# Altium PCB PT1000_16CH.PCBDOC (part 4 of 5)
Units mm, origin at the board's own origin, x right, y up, seen from the top; angles counter-clockwise.
Board outline 238.48 x 100 mm, 4 copper layers (TOP, G1, L2, BOT), stack 1.55 mm thick; 582 components, 585 nets, 2348 pads, 974 vias.
Unrouted connection lines stored in the file: 797.
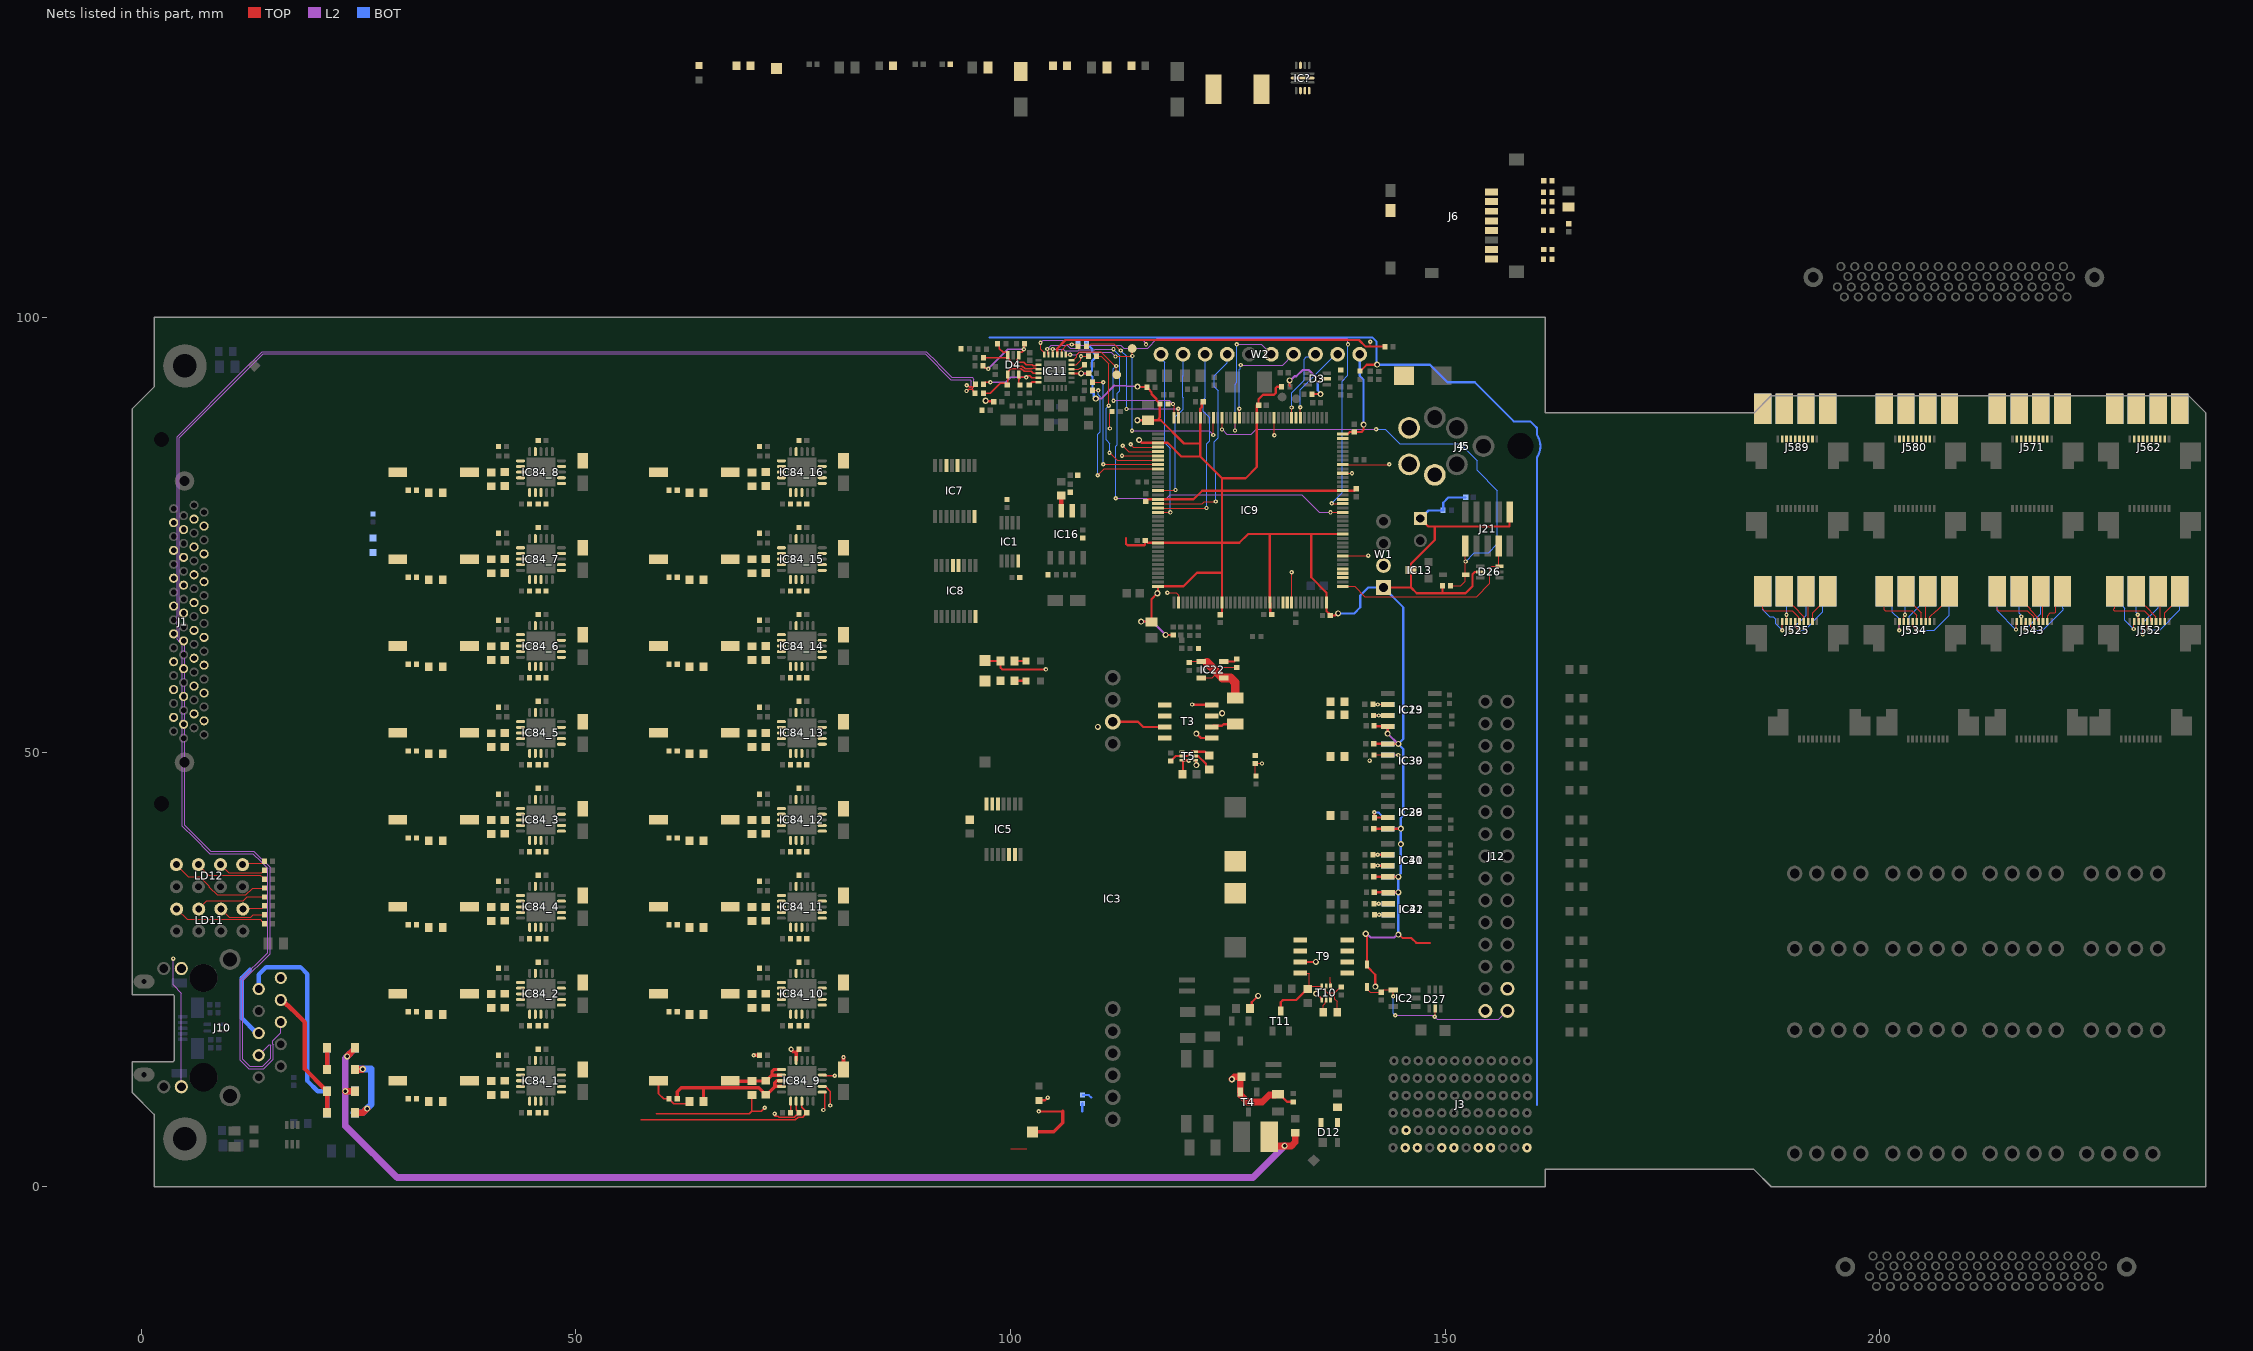
[diagram p6: the nets of this part, all layers, seen from the top]

## Via types
v1: diameter 0.5, hole 0.2, TOP to BOT, tented both sides, 922 vias
v2: diameter 0.7, hole 0.4, TOP to BOT, tented both sides, 39 vias
v3: diameter 0.5, hole 0.2, TOP to BOT, 5 vias
v4: diameter 0.66, hole 0.33, TOP to BOT, tented both sides, 5 vias
v5: diameter 0.6, hole 0.3, TOP to BOT, tented both sides, 2 vias
v6: diameter 0.6, hole 0.3, TOP to BOT, 1 vias

## Nets (pads, with @x,y where several pads share a name; then routed paths per layer and width w, separated by ;. In a path a pad name is that pad's centre, name@x,y a point inside that pad or via, vN(x,y) a via of type N, cw(c..) or ccw(c..) an arc to the next point about the centre after c; other vN are vias at no path point) (continued)
NetIC11_10: IC11.10 R25.1 | length 1.7
  TOP w0.127: IC11.10@107.02,94.05 107.863,94.05 107.937,94.124 108.1,94.124 108.506,94.53 R25.1@108.506,94.55
NetIC11_11: IC11.11 R22.2 R27.2 | length 3.5
  TOP w0.127: IC11.11@107.02,94.55 107.555,94.55 108.094,95.089 108.094,95.489 v1@108.127,95.522 ; v1(108.102,95.529) 108.962,95.529 R27.2@108.97,95.522
  BOT w0.127: v1(108.102,95.529) 108.937,95.529 R22.2@108.945,95.522
NetIC11_14: IC11.14 R29.2 R99.2 | length 3.6
  TOP w0.127: IC11.14@105.87,95.7 105.87,96.235 106.514,96.88 107.593,96.88 R29.2@107.778,96.695
  BOT w0.127: v1(107.055,96.88) 107.613,96.88 R99.2@107.778,97.045
NetIC11_24: IC11.24 R26.1 | length 1.2
  TOP w0.254: R26.1@102.145,92.245 102.165,92.245 102.47,92.55 IC11.24@103.22,92.55
NetIC16_7: IC16.7 R96.1 | length 1.7
  TOP w0.508: R96.1@105.825,79.5 105.825,77.773 IC16.7@105.837,77.761
NetIC19_6: IC19.6 IC23.3 R110.2 | length 2.7
  TOP w0.127: R110.2@141.68,55.48 v1(142.235,55.48) ; v1@142.344,55.481 IC19.6@143.394,55.481
  BOT w0.127: v1@142.344,55.481 IC23.3@143.394,55.481
NetIC19_7: IC19.7 IC23.2 R108.2 | length 2.7
  TOP w0.254: R108.2@141.748,54.211 v1(142.344,54.211) IC19.7@143.394,54.211
  BOT w0.254: v1(142.344,54.211) IC23.2@143.394,54.211
NetIC22_1: IC22.1 R141.1 R154.2 | length 1.2
  TOP w0.127: R154.2@120.578,60.318 120.69,60.431 121.668,60.431 IC22.1@121.607,60.492
NetIC22_3: IC22.3 R131.1 | length 4.6
  TOP w0.127: IC22.3@121.95,58.531 123.215,58.531 124.435,59.751 R131.1@126,59.751
NetIC29_7: IC29.7 IC36.2 R112.2 | length 4
  TOP w0.254: v1(141.845,43.085) R112.2@141.845,42.463 IC29.7@143.394,42.463
  BOT w0.254: v1(141.845,43.085) 141.892,43.038 142.344,43.038 142.919,42.463 IC36.2@143.394,42.463
NetIC30_2: IC30.2 IC39.7 R113.2 | length 4
  TOP w0.127: R113.2@141.782,49.667 IC30.2@143.394,49.667 ; IC30.2@143.394,49.667 v1(144.602,49.666)
  BOT w0.127: IC39.7@143.394,49.666 v1(144.602,49.666)
NetIC31_6: IC31.6 IC40.3 R117.2 | length 2.8
  TOP w0.254: R117.2@141.79,38.196 v1(142.235,38.196) IC31.6@143.394,38.196
  BOT w0.254: v1(142.235,38.196) IC40.3@143.394,38.196
NetIC31_7: IC31.7 IC40.2 R115.2 | length 2.8
  TOP w0.254: R115.2@141.727,36.926 v1@142.24,36.926 ; v1@142.271,36.926 IC31.7@143.394,36.926
  BOT w0.254: v1(142.24,36.957) 142.271,36.926 IC40.2@143.394,36.926
NetIC32_2: IC32.2 IC41.7 R118.2 | length 2.7
  TOP w0.127: R118.2@141.79,32.56 v1@142.342,32.56 ; v1@142.37,32.56 IC32.2@143.425,32.56
  BOT w0.127: v1(142.342,32.563) 142.344,32.56 IC41.7@143.425,32.56
NetIC32_3: IC32.3 IC41.6 R123.2 | length 2.6
  TOP w0.127: R123.2@141.845,31.29 IC32.3@143.425,31.29
  BOT w0.127: v1(142.392,31.293) 142.395,31.29 IC41.6@143.425,31.29
NetIC84_1_1: IC84_1.1 IC84_1.2 R350_1.1 R351_1.1 SW1_1.1
NetIC84_1_3: IC84_1.3 IC84_1.4 R348_1.1 R349_1.1 R350_1.2
NetIC84_1_6: IC84_1.6 R36_1.2
NetIC84_2_1: IC84_2.1 IC84_2.2 R350_2.1 R351_2.1 SW1_2.1
NetIC84_2_3: IC84_2.3 IC84_2.4 R348_2.1 R349_2.1 R350_2.2
NetIC84_2_6: IC84_2.6 R36_2.2
NetIC84_3_1: IC84_3.1 IC84_3.2 R350_3.1 R351_3.1 SW1_3.1
NetIC84_3_3: IC84_3.3 IC84_3.4 R348_3.1 R349_3.1 R350_3.2
NetIC84_3_6: IC84_3.6 R36_3.2
NetIC84_4_1: IC84_4.1 IC84_4.2 R350_4.1 R351_4.1 SW1_4.1
NetIC84_4_3: IC84_4.3 IC84_4.4 R348_4.1 R349_4.1 R350_4.2
NetIC84_4_6: IC84_4.6 R36_4.2
NetIC84_5_1: IC84_5.1 IC84_5.2 R350_5.1 R351_5.1 SW1_5.1
NetIC84_5_3: IC84_5.3 IC84_5.4 R348_5.1 R349_5.1 R350_5.2
NetIC84_5_6: IC84_5.6 R36_5.2
NetIC84_6_1: IC84_6.1 IC84_6.2 R350_6.1 R351_6.1 SW1_6.1
NetIC84_6_3: IC84_6.3 IC84_6.4 R348_6.1 R349_6.1 R350_6.2
NetIC84_6_6: IC84_6.6 R36_6.2
NetIC84_7_1: IC84_7.1 IC84_7.2 R350_7.1 R351_7.1 SW1_7.1
NetIC84_7_3: IC84_7.3 IC84_7.4 R348_7.1 R349_7.1 R350_7.2
NetIC84_7_6: IC84_7.6 R36_7.2
NetIC84_8_1: IC84_8.1 IC84_8.2 R350_8.1 R351_8.1 SW1_8.1
NetIC84_8_3: IC84_8.3 IC84_8.4 R348_8.1 R349_8.1 R350_8.2
NetIC84_8_6: IC84_8.6 R36_8.2
NetIC84_9_1: IC84_9.1 IC84_9.2 R350_9.1 R351_9.1 SW1_9.1 | length 7.8
  TOP w0.381: SW1_9.1@67.773,12.147 70.25,12.147 R351_9.1@70.276,12.174 71.85,12.174 71.873,12.174 71.9,12.2 71.95,12.2 72.209,12.46 72.209,12.506 72.553,12.85 ; IC84_9.2@73.65,12.85 72.553,12.85 ; IC84_9.1@73.65,13.5 72.802,13.5 72.579,13.277 72.579,12.876 72.553,12.85
NetIC84_9_3: IC84_9.3 IC84_9.4 R348_9.1 R349_9.1 R350_9.2 | length 16.5
  TOP w0.381: R349_9.1@61.672,10.121 61.672,10.958 62.112,11.398 64.598,11.398 71.052,11.398 R350_9.2@71.85,10.6 71.9,10.6 71.95,10.6 72.884,11.535 72.884,11.984 73.1,12.2 IC84_9.3@73.65,12.2 ; R348_9.1@64.694,9.818 64.694,11.302 ; 72.884,11.55 IC84_9.4@73.65,11.55
NetIC84_9_6: IC84_9.6 R36_9.2 | length 1.3
  TOP w0.152: R36_9.2@74.7,8.53 IC84_9.6@74.7,9.85
NetIC84_10_1: IC84_10.1 IC84_10.2 R350_10.1 R351_10.1 SW1_10.1
NetIC84_10_3: IC84_10.3 IC84_10.4 R348_10.1 R349_10.1 R350_10.2
NetIC84_10_6: IC84_10.6 R36_10.2
NetIC84_11_1: IC84_11.1 IC84_11.2 R350_11.1 R351_11.1 SW1_11.1
NetIC84_11_3: IC84_11.3 IC84_11.4 R348_11.1 R349_11.1 R350_11.2
NetIC84_11_6: IC84_11.6 R36_11.2
NetIC84_12_1: IC84_12.1 IC84_12.2 R350_12.1 R351_12.1 SW1_12.1
NetIC84_12_3: IC84_12.3 IC84_12.4 R348_12.1 R349_12.1 R350_12.2
NetIC84_12_6: IC84_12.6 R36_12.2
NetIC84_13_1: IC84_13.1 IC84_13.2 R350_13.1 R351_13.1 SW1_13.1
NetIC84_13_3: IC84_13.3 IC84_13.4 R348_13.1 R349_13.1 R350_13.2
NetIC84_13_6: IC84_13.6 R36_13.2
NetIC84_14_1: IC84_14.1 IC84_14.2 R350_14.1 R351_14.1 SW1_14.1
NetIC84_14_3: IC84_14.3 IC84_14.4 R348_14.1 R349_14.1 R350_14.2
NetIC84_14_6: IC84_14.6 R36_14.2
NetIC84_15_1: IC84_15.1 IC84_15.2 R350_15.1 R351_15.1 SW1_15.1
NetIC84_15_3: IC84_15.3 IC84_15.4 R348_15.1 R349_15.1 R350_15.2
NetIC84_15_6: IC84_15.6 R36_15.2
NetIC84_16_1: IC84_16.1 IC84_16.2 R350_16.1 R351_16.1 SW1_16.1
NetIC84_16_3: IC84_16.3 IC84_16.4 R348_16.1 R349_16.1 R350_16.2
NetIC84_16_6: IC84_16.6 R36_16.2
NetIC?_2: IC?.2 L?.1
NetIC?_5: IC?.5 R?.1@104.9,128.925 R?.2@86.5,128.925
NetIC?_10: IC?.10 R?.1@113.9,128.925
NetJ10_L1: J10.L1 R17.2
NetJ10_L3: J10.L3 R11.2 | length 15.1
  L2 w0.127: v1(3.7,26.25) 3.689,26.239 3.689,23.234 4.639,22.284 J10.L3@4.639,11.51
NetLD1_1: LD1.1 R6.2 | length 1.8
  TOP w0.127: 100.018,4.353 101.856,4.353
NetLD2_2: LD2.2 R90.1 | length 2.3
  TOP w0.254: LD2.2@103.272,9.953 103.974,9.953 104.285,10.264 v1(104.283,10.264)
  BOT w0.254: R90.1@108.275,10.545 109.002,10.545 109.283,10.264
NetLD3_2: LD3.2 R94.2 | length 1.3
  TOP w0.254: R94.2@100.466,58.205 100.474,58.197 LD3.2@101.789,58.197
NetLD6_2: LD6.2 R10.2 | length 1.3
  TOP w0.254: R10.2@100.466,60.476 100.474,60.468 LD6.2@101.789,60.468
NetLD10_2: LD10.2 R54.2
NetLD11_2: LD11.2 R143.2 | length 10.8
  TOP w0.127: LD11.2@4.099,31.946 5.294,30.752 13.699,30.752 13.948,30.502 13.968,30.502 14.195,30.276 R143.2@14.195,30.256
NetLD11_4: LD11.4 R144.2 | length 8.1
  TOP w0.127: LD11.4@6.639,31.946 7.58,32.887 11.744,32.887 12.195,33.337 R144.2@14.195,33.337
NetLD11_6: LD11.6 R145.2 | length 5.5
  TOP w0.127: LD11.6@9.179,31.946 10.12,31.006 12.627,31.006 12.904,31.283 R145.2@14.195,31.283
NetLD11_8: LD11.8 R146.2 | length 2.6
  TOP w0.127: LD11.8@11.719,31.946 11.836,32.063 13.968,32.063 R146.2@14.195,32.29
NetLD12_2: LD12.2 R147.2 | length 12
  TOP w0.127: LD12.2@4.06,37.052 5.431,35.68 6.761,35.68 7.87,34.572 7.87,34.451 8.75,33.571 12.07,33.571 12.862,34.364 R147.2@14.195,34.364
NetLD12_4: LD12.4 R148.2 | length 8.3
  TOP w0.127: LD12.4@6.6,37.052 7.795,35.857 13.728,35.857 13.948,35.637 13.968,35.637 14.195,35.411 R148.2@14.195,35.391
NetLD12_6: LD12.6 R149.2 | length 5.6
  TOP w0.127: LD12.6@9.14,37.052 10.081,36.111 13.908,36.111 14.195,36.398 R149.2@14.195,36.418
NetLD12_8: LD12.8 R150.2 | length 3
  TOP w0.127: LD12.8@11.68,37.052 11.827,37.198 13.5,37.198 ; 13.5,37.2 13.968,37.2 R150.2@14.195,37.426 ; R150.2@13.968,37.198 14.195,37.425 R150.2@14.195,37.426 ; R150.2@14.195,37.445 R150.2@14.195,37.426
NetR65_1: R65.1 T5.2 | length 2.4
  TOP w0.254: T5.2@121.29,49.55 121.313,49.527 121.608,49.527 122.492,48.642 122.492,48.323 122.815,48 R65.1@122.865,48
NetR65_2: R65.2 R85.2 T5.3 T5.5 | length 5.1
  TOP w0.254: R85.2@118.415,48.978 118.435,48.978 119.007,49.55 T5.5@119.71,49.55 120.376,49.55 120.853,50.027 121.267,50.027 T5.3@121.29,50.05 122.366,50.05 122.815,49.6 R65.2@122.865,49.6
NetR68_2: R68.2 T3.4 T5.6 | length 4.4
  TOP w0.254: T5.6@119.71,49.05 T5.6@119.805,49.05 ; R68.2@119.828,47.733 119.828,49.027 T5.6@119.805,49.05 ; v1(120.5,49.014) 120.464,49.014 120.428,49.05 T5.6@119.805,49.05 ; v1(120.887,55.48) 120.912,55.456 123.141,55.456 T3.4@123.165,55.431
NetR194_1: R194.1 T10.2 | length 1.6
  TOP w0.127: R194.1@135.97,20.071 135.97,20.873 136.212,21.116 136.212,21.42 T10.2@136.299,21.506
NetR194_2: R194.2 R196.2 T10.3 T10.5 | length 5.9
  TOP w0.127: T10.5@136.299,23.086 136.299,22.448 136.441,22.306 136.875,22.306 ; T10.3@136.799,21.506 136.799,22.23 136.875,22.306 ; R194.2@137.57,20.071 137.57,21.322 137.31,21.582 137.31,22.306 ; R196.2@138.02,22.996 138,22.996 137.31,22.306 ; 136.875,22.306 137.31,22.306
NetR195_2: R195.2 T9.4 T10.6 T11.3 | length 8.9
  TOP w0.127: T9.4@133.32,24.591 134.286,24.591 134.36,24.517 134.36,22.916 134.53,23.086 T10.6@135.799,23.086
  TOP w0.254: T11.3@131.087,20.221 131.087,21.222 131.349,21.484 132.877,21.484 ; 132.877,21.484 134.14,22.746 R195.2@134.19,22.746
NetR348_1_2: R348_1.2 R349_1.2 SW1_1.2
NetR348_2_2: R348_2.2 R349_2.2 SW1_2.2
NetR348_3_2: R348_3.2 R349_3.2 SW1_3.2
NetR348_4_2: R348_4.2 R349_4.2 SW1_4.2
NetR348_5_2: R348_5.2 R349_5.2 SW1_5.2
NetR348_6_2: R348_6.2 R349_6.2 SW1_6.2
NetR348_7_2: R348_7.2 R349_7.2 SW1_7.2
NetR348_8_2: R348_8.2 R349_8.2 SW1_8.2
NetR348_9_2: R348_9.2 R349_9.2 SW1_9.2 | length 5.6
  TOP w0.2: SW1_9.2@59.523,12.2 59.523,10.7 60.102,10.121 R349_9.2@60.732,10.121 ; R349_9.2@60.732,10.101 61.275,9.558 62.835,9.558 R348_9.2@63.094,9.818
NetR348_10_2: R348_10.2 R349_10.2 SW1_10.2
NetR348_11_2: R348_11.2 R349_11.2 SW1_11.2
NetR348_12_2: R348_12.2 R349_12.2 SW1_12.2
NetR348_13_2: R348_13.2 R349_13.2 SW1_13.2
NetR348_14_2: R348_14.2 R349_14.2 SW1_14.2
NetR348_15_2: R348_15.2 R349_15.2 SW1_15.2
NetR348_16_2: R348_16.2 R349_16.2 SW1_16.2
P3V0REF: C27.2 C38.1 IC16.6 R54.1 R70.2 TP10.1 | length 2.1
  TOP w0.127: v1(111.43,87.224) 111.43,88.924 R70.2@111.681,89.175
  L2 w0.127: v1@111.385,87.179 v1(111.43,87.224)
P3V3: C9.2 C11.1 C29.1 C30.1 C31.1 C32.1 C33.1 C35.1 C84.2 C94.1 C95.1 C96.1 C97.1 C98.1 C99.1 C144.2 C145.2 C146.2 C147.2 C148.2 C224_1.1 C224_2.1 C224_3.1 C224_4.1 C224_5.1 C224_6.1 C224_7.1 C224_8.1 C224_9.1 C224_10.1 C224_11.1 C224_12.1 C224_13.1 C224_14.1 C224_15.1 C224_16.1 C225_1.1 C225_2.1 C225_3.1 C225_4.1 C225_5.1 C225_6.1 C225_7.1 C225_8.1 C225_9.1 C225_10.1 C225_11.1 C225_12.1 C225_13.1 C225_14.1 C225_15.1 C225_16.1 C?.2@93.05,129.125 C?.2@97.4,128.725 C?.2@111.1,128.725 D2.2 D3.5 D12.4 D26.5 IC7.6 IC7.16 IC8.16 IC9.17 IC9.30 IC9.39 IC9.52 IC9.62 IC9.72 IC9.84 IC9.95 IC9.108 IC9.121 IC9.131 IC9.143 IC9.144 IC11.9 IC13.3 IC19.8 IC23.1 IC29.8 IC30.1 IC31.8 IC32.1 IC36.1 IC39.8 IC40.1 IC41.8 IC84_1.19 IC84_2.19 IC84_3.19 IC84_4.19 IC84_5.19 IC84_6.19 IC84_7.19 IC84_8.19 IC84_9.19 IC84_10.19 IC84_11.19 IC84_12.19 IC84_13.19 IC84_14.19 IC84_15.19 IC84_16.19 IC?.6 J6.4 J21.1 JP2.1 L2_1.2 L2_2.2 L2_3.2 L2_4.2 L2_5.2 L2_6.2 L2_7.2 L2_8.2 L2_9.2 L2_10.2 L2_11.2 L2_12.2 L2_13.2 L2_14.2 L2_15.2 L2_16.2 L5.2 L7.2 L?.2 LD1.2 R5.1 R7.2 R9.2 R13.2 R16.2 R20.1 R21.1 R22.1 R33.2 R53.1 R61.1 R62.1 R67.2 R76.2 R77.2 R78.2 R79.2 R80.2 R92.2 R94.1 R98.1 R99.1 R?.2@106.5,128.925 TP8.1 W1.1 W2.10 | length 323.9
  TOP w0.254: v2(97.136,90.41) 97.191,90.355 98.016,90.355 L7.2@98.071,90.3 ; IC11.9@107.02,93.55 v2(108.127,93.55) C84.2@108.99,93.55 ; 113.293,74.599 113.293,73.931 113.448,73.777 115.407,73.777 115.482,73.852 C95.1@115.482,74.341 115.754,74.069 IC9.62@116.953,74.069 124.328,74.069 ; v2(114.588,88.169) C99.1@115.828,88.169 116.863,88.169 ; v2(114.606,92.03) 114.645,91.99 115.653,91.99 L5.2@115.693,91.951 ; v2(114.781,85.894) 115.106,85.569 IC9.39@116.953,85.569 118.072,85.569 119.647,83.993 121.828,83.993 ; v2(115.017,65.011) 116.146,65.011 C35.1@116.207,64.95 116.207,67.581 v2(116.894,68.269) 116.953,68.327 IC9.72@116.953,69.069 119.886,69.069 121.449,70.631 124.328,70.631 ; C30.1@115.553,78.819 115.803,79.069 IC9.52@116.953,79.069 121.057,79.069 122.057,80.069 124.328,80.069 ; L5.2@115.693,92.03 L5.2@115.693,91.951 ; v2(117.85,63.475) 117.865,63.46 R7.2@118.7,63.46 ; C31.1@122.178,90.3 121.995,90.117 121.995,89.667 121.828,89.5 121.828,85.489 ; C96.1@124.111,65.809 124.328,66.026 124.328,70.631 ; R16.2@127.211,20.129 127.534,20.452 R16.2@127.534,20.502 127.753,20.722 127.753,21.234 v2(128.48,21.962) ; C33.1@128.328,89.912 IC9.17@128.328,88.444 128.328,82.777 127.044,81.493 124.328,81.493 ; C33.1@128.535,89.912 128.535,90.603 129.041,91.108 130.308,91.108 130.503,91.303 130.503,91.872 130.645,92.014 R61.1@131.194,92.014 ; C97.1@130.028,65.819 129.876,65.971 129.876,67.146 IC9.95@129.828,67.194 129.828,75.021 129.876,75.069 ; v2(132.103,92.755) 132.103,92.197 132.134,92.034 ; R53.1@134.688,91.175 v2(135.653,91.175) ; v2(135.328,92.925) D3.5@136.375,92.925 D3.5@136.448,92.998 ; v2(137.687,65.95) 137.574,65.95 137.333,65.708 C98.1@136.778,65.708 136.595,65.891 136.595,65.971 136.328,66.238 IC9.108@136.328,67.194 136.328,68.36 134.587,70.1 134.587,75.069 ; R92.2@137.98,93.97 R92.2@138,93.97 R92.2@138.02,93.97 ; IC9.121@138.203,75.069 134.587,75.069 ; IC9.144@138.203,86.569 138.753,86.569 139.003,86.819 C94.1@139.553,86.819 140.37,86.819 140.613,87.061 v2(140.613,87.664) ; C32.1@139.778,80.269 139.578,80.069 IC9.131@138.203,80.069 124.328,80.069 ; v2(140.862,29.108) 141,28.97 D2.2@141,25.565 141,25.365 141.961,24.404 v2(141.961,23.038) ; C147.2@141.762,35.656 IC31.8@143.394,35.656 v2(144.602,35.656) ; C144.2@141.762,41.193 IC29.8@143.394,41.193 v2(144.893,41.193) ; C146.2@141.762,50.968 141.777,50.952 143.378,50.952 IC30.1@143.394,50.937 ; C148.2@141.812,53.025 141.854,52.983 143.351,52.983 IC19.8@143.394,52.941 143.394,52.14 v2(143.378,52.124) ; C145.2@141.845,33.875 v2(144.602,33.875) ; W1.1@142.9,68.92 146.056,68.92 ; IC30.1@143.394,50.937 v2(144.602,50.936) ; v2(144.602,29.007) 144.723,29.007 145.126,28.604 146.114,28.604 146.658,28.06 146.658,28.04 ; 146.71,28.091 146.659,28.04 ; JP2.1@147.131,76.861 148.053,75.939 148.793,75.939 ; 148.217,28.04 146.659,28.04 ; R62.1@149.684,69.119 R62.1@149.686,69.121 149.686,68.269 ; D26.5@154.04,70.713 153.389,70.713 153.15,70.474 153.15,69.095 152.324,68.269 149.686,68.269 ; J21.1@157.4,77.5 157.4,75.939 148.793,75.939 ; L5.2@115.693,91.951 115.693,91.941 116.059,91.575 116.059,91.536 116.207,91.388 116.207,91.174 116.782,90.599 116.782,90.452 117.177,90.057 R98.1@117.177,90.037 117.177,88.482 116.863,88.169 ; 116.863,88.169 117.27,88.169 119.949,85.489 121.828,85.489 ; 121.828,83.993 121.828,85.489 ; 121.828,83.993 124.328,81.493 ; 124.328,70.631 124.328,74.069 ; 124.328,74.069 124.328,80.069 ; 124.328,74.069 126.305,74.069 127.305,75.069 129.876,75.069 ; 124.328,80.069 124.328,81.493 ; 129.876,75.069 134.587,75.069 ; 146.056,68.92 146.708,68.269 149.686,68.269 ; 146.056,68.92 IC13.3@146.056,70.921 146.056,71.663 148.793,74.4 148.793,75.939
  TOP w0.381: v1@70.5,15.148 L2_9.2@71.125,15.148 ; v6(74.762,15.83) 75.092,15.5 75.35,15.5 ; IC84_9.19@75.35,14.55 75.35,15.5 ; C224_9.1@75.68,15.83 75.35,15.5
  TOP w0.5: C225_9.1@80.8,13.5 v1(80.8,14.913)
  L2 w0.254: v2(109.8,90.65) 110.442,90.65 111.968,92.176 114.606,92.034 v2(114.606,92.03) ; v2@109.979,52.823 v2(110.047,52.891) ; v2(115.017,65.011) 116.314,65.011 v2(117.85,63.475) ; v2(132.103,92.755) 132.195,92.755 132.666,93.226 132.873,93.226 133.576,93.929 134.323,93.929 v2(135.328,92.925) ; v2(140.862,29.108) 140.983,29.108 141.42,28.671 144.146,28.671 144.482,29.007 v2(144.602,29.007) ; v2(143.378,52.124) 143.396,52.124 144.584,50.936 v2(144.602,50.936)
  BOT w0.254: v2(108.127,93.55) 109.034,93.55 ; R99.1@108.718,97.045 108.718,97.025 109.393,96.35 109.393,96.034 109.885,95.542 R22.1@109.885,95.522 109.885,95.502 109.362,94.98 109.362,93.879 109.034,93.55 ; v2(109.8,90.65) 109.566,90.884 109.566,91.424 R21.1@109.415,91.575 109.415,93.169 109.034,93.55 ; v2(135.328,92.925) 135.328,91.621 135.653,91.296 v2(135.653,91.175) ; v2(137.687,65.95) 139.528,65.95 140.223,66.645 140.223,68.004 141.138,68.92 W1.1@142.9,68.92 145.175,66.645 145.175,51.509 v2(144.602,50.936) ; W2.10@140.16,95.756 140.16,93.288 140.613,92.835 v2(140.613,87.664) ; v2(143.378,52.124) 143.378,52.925 IC23.1@143.394,52.941 ; IC40.1@143.394,35.656 v2(144.602,35.656) 144.602,35.777 144.893,36.068 v2(144.893,39.408) v2(144.893,41.193) ; IC36.1@143.394,41.193 v2(144.893,41.193) ; IC39.8@143.394,50.936 v2(144.602,50.936) ; IC41.8@143.425,33.83 144.557,33.83 v2(144.602,33.875) ; v2(144.602,29.007) v2(144.602,33.875) ; v2@144.602,35.64 v2(144.602,33.875) ; JP2.1@147.131,76.861 148.066,77.796 R33.2@149.761,77.796 149.761,78.676 150.383,79.297 C29.1@152.343,79.297 ; v2(144.602,50.936) 145.175,50.364 145.175,42.673 144.893,42.392 v2(144.893,41.193)
  other v1: 70.477,15.125
P3V3_MP: C1.2 C2.2 C10.2 D2.1 D27.5 IC1.8 IC2.4 IC5.14 J12.30 R10.1 TP3.1 | length 28.6
  TOP w0.127: D2.1@141,22.765 141.373,22.392 C2.2@142.643,22.392 142.903,22.652 IC2.4@144.019,22.652 v1(144.019,21.902) ; v1(148.794,19.559) 148.837,19.603 D27.5@148.837,20.502
  TOP w0.254: TP3.1@97.076,60.524 97.124,60.476 R10.1@98.866,60.476 98.866,59.71 99.066,59.51 v1(104.074,59.51)
  L2 w0.127: v1(144.254,19.721) 148.531,19.721 148.693,19.559 v1(148.794,19.559) 149.105,19.248 156.164,19.248 J12.30@157.154,20.238
  BOT w0.127: v1(144.019,21.902) 144.019,19.982 144.254,19.746 v1(144.254,19.721)
P12V0: D?.2@101.2,128.275 IC22.4 J3.A1 J3.D1 J3.E1 J3.G1 J3.H1 J3.J1 J3.K1 R69.2 R83.2 R90.2 R97.1 TP6.1 | length 163.9
  TOP w0.254: v1(103.257,8.677) 105.998,8.677 ; R97.1@104.33,70.4 R97.1@104.33,70.42 ; R83.2@140.2,93.804 140.22,93.804 140.972,94.556 v2(142.167,94.556)
  TOP w0.4: TP6.1@102.517,6.325 104.956,6.325 105.998,7.366 105.998,8.677
  TOP w1.016: 122.589,60.318 IC22.4@124.376,58.531 ; IC22.4@124.55,58.531 125.304,58.531 125.85,57.985 R69.2@125.85,56.211
  BOT w0.254: 97.569,97.696 141.606,97.696 142.109,97.192 142.109,94.614 v2(142.167,94.556) 145.263,94.556 148.238,94.556 150.263,92.531 153.387,92.531 157.881,88.036 159.791,88.036 160.471,87.357 160.545,87.282 160.545,86.474 cw(c158.641,85.185) 160.941,85.181 160.941,85.164 cw(c158.641,85.185) 160.545,83.895 160.545,9.415 ; 108.257,8.677 108.257,9.587 R90.2@108.275,9.605
P12V0_EEM: J12.28 J12.29 T9.5 T9.6 T9.7 T9.8 T10.4 | length 1.1
  TOP w0.127: T10.4@136.799,23.086 136.799,23.5 136.777,23.522 136.777,23.627 136.799,23.649 136.799,24.117 ; T9.5@138.664,24.647 T9.5@138.72,24.591
P12V0_IN: D24.1 IC22.5 J4.3 J5.3 J5.4 R69.1 R131.2 T3.1 T3.2 T3.3 T5.1 T9.1 T9.2 T9.3 T10.1 | length 9.5
  TOP w0.254: T5.1@121.29,49.05 121.352,49.05 121.375,49.027 121.333,49.027 121.333,48.546 v2(121.375,48.504) ; v2(121.375,52.124) 121.404,52.124 121.906,51.621 T3.1@123.165,51.621 ; T3.2@123.165,52.891 123.3,53.026 124.321,53.026 124.506,53.211 R69.1@125.85,53.211 ; IC22.5@124.55,60.431 124.8,60.431 R131.2@125.728,60.431 ; T9.3@133.32,25.861 T9.3@133.32,25.861 v2(135.129,25.863) v2(135.129,25.863) ; v2(135.161,22.222) 135.218,22.222 135.799,21.641 T10.1@135.799,21.506
  other v2: 124.328,54.471
P12V0_POE: C3.1 C4.1 IC3.8 R30.2 T3.5 T3.6 T3.7 T3.8 T5.4 | length 6.3
  TOP w0.254: IC3.8@111.76,53.485 114.662,53.485 115.256,52.891 T3.7@117.765,52.891
PC13: IC9.7 W2.9 | length 9.2
  TOP w0.127: IC9.7@133.328,88.444 v1(133.328,89.675)
  BOT w0.127: v1(133.328,89.675) 133.328,91.689 137.394,95.756 W2.9@137.62,95.756
PC14: IC9.8
PC15: IC9.9 W2.8 | length 8.9
  TOP w0.127: IC9.9@132.328,88.444 v1(132.328,89.628)
  BOT w0.127: v1(132.328,89.628) 132.328,91.311 133.764,92.747 133.764,95.184 134.039,95.459 134.783,95.459 W2.8@135.08,95.756
PF9: IC9.21
PF9_ADCIN: W2.7 | length 12.7
  TOP w0.127: 126.328,88.444 v1(126.328,89.5)
  L2 w0.127: v1(126.481,94.518) 131.302,94.518 W2.7@132.54,95.756
  BOT w0.127: v1(126.328,89.5) 126.328,94.014 126.41,94.096 126.41,94.446 v1(126.481,94.518)
PF10: IC9.22
PF10_ADCIN: W2.6 | length 15.9
  TOP w0.127: v1(125.828,86.994) 125.828,88.444
  L2 w0.127: v1(126.035,96.888) 127.257,96.888 128.868,96.888 W2.6@130,95.756
  BOT w0.127: v1(125.828,86.994) 125.828,92.324 126.035,92.531 v1(126.035,96.888)
PF12: IC9.50 W2.2 | length 18
  TOP w0.127: IC9.50@116.953,80.069 116.987,80.103 118.939,80.103 v1(118.974,80.137)
  BOT w0.127: v1(118.974,80.137) 118.974,88.546 119.84,89.413 119.84,90.773 119.818,90.795 119.818,93.273 119.84,93.295 W2.2@119.84,95.756
PF13: IC9.53 W2.4 | length 24.7
  TOP w0.127: IC9.53@116.953,78.569 122.026,78.569 122.276,78.819 v1(123.6,78.819)
  BOT w0.127: v1(123.6,78.819) 123.6,82.223 123.435,82.388 123.435,85.691 123.876,86.132 123.876,91.572 123.435,92.013 123.435,93.301 124.92,94.786 W2.4@124.92,95.756
PF14: IC9.54 W2.3 | length 23.8
  TOP w0.127: IC9.54@116.953,78.069 122.544,78.069 v1(122.55,78.075)
  BOT w0.127: W2.3@122.38,95.756 122.418,95.718 122.418,90.729 122.178,90.488 122.178,89.172 122.887,88.462 122.887,85.827 122.542,85.482 122.542,78.083 v1(122.55,78.075)
PF15: IC9.55 W2.1 | length 20.1
  TOP w0.127: IC9.55@116.953,77.569 v1(118.391,77.569)
  BOT w0.127: W2.1@117.3,95.756 117.3,95.265 117.743,94.822 117.743,85.588 118.391,84.941 v1(118.391,77.569)
PFORCE_N0: J525.5 J529.1 | length 7.4
  TOP w0.127: J525.5@190.255,65 190.255,64.416 v1(190.644,64.027)
  BOT w0.127: v1(190.644,64.027) 191.334,64.027 193.433,66.125 193.433,67.938 J529.1@193.995,68.5
PFORCE_N1: J525.9 J533.1 | length 4.2
  TOP w0.127: J525.9@192.245,65 192.245,66 193.995,67.75 J533.1@193.995,68.5
PFORCE_N2: J534.5 J538.1 | length 8.4
  TOP w0.127: J534.5@203.755,65 203.841,64.913 203.841,64.404 v1(204.245,64)
  BOT w0.127: v1(204.245,64) 206.267,64 207.995,65.728 J538.1@207.995,68.5
PFORCE_N3: J534.9 J542.1 | length 4.5
  TOP w0.127: J534.9@205.745,65 205.745,65.562 206.444,66.261 206.505,66.261 207.995,67.75 J542.1@207.995,68.5
PFORCE_N4: J543.5 J547.1 | length 7.7
  TOP w0.127: J543.5@217.255,65 217.341,64.913 217.341,64.432 v1(217.774,64)
  BOT w0.127: v1(217.774,64) 218.705,64 221.071,66.366 221.071,66.481 220.995,66.557 J547.1@220.995,68.5
PFORCE_N5: J543.9 J551.1 | length 4.5
  TOP w0.127: J543.9@219.245,65 219.274,65.029 219.274,65.689 219.585,66 220.12,66 220.195,66.074 220.195,67.7 J551.1@220.995,68.5
PFORCE_N6: J552.5 J556.1 | length 7.6
  TOP w0.127: J552.5@230.755,65 230.755,64.327 230.884,64.198 v1(230.884,64.097)
  BOT w0.127: v1(230.884,64.097) 232.226,64.097 234.495,66.365 J556.1@234.495,68.5
PFORCE_N7: J552.9 J560.1 | length 4.2
  TOP w0.127: J552.9@232.745,65 232.745,66 234.495,67.75 J560.1@234.495,68.5
PFORCE_N8: J562.5 J566.1
PFORCE_N9: J562.9 J570.1
PFORCE_N10: J571.5 J575.1
PFORCE_N11: J571.9 J579.1
PFORCE_N12: J580.5 J584.1
PFORCE_N13: J580.9 J588.1
PFORCE_N14: J589.5 J593.1
PFORCE_N15: J589.9 J597.1
PFORCE_P0: J525.2 J526.1 | length 6.6
  TOP w0.127: J525.2@188.745,65 188.749,64.996 188.749,64.022 v1(188.754,64.018)
  BOT w0.127: J526.1@186.495,68.5 186.495,66.398 187.329,65.563 187.715,65.563 187.988,65.29 187.988,64.783 v1(188.754,64.018)
PFORCE_P1: J525.6 J530.1 | length 7.1
  TOP w0.127: J530.1@186.495,68.5 186.495,66.481 186.715,66.261 189.887,66.261 190.658,65.489 190.658,65.087 J525.6@190.745,65
PFORCE_P2: J534.2 J535.1 | length 6.2
  TOP w0.127: v1(202.214,64.027) 202.229,64.042 202.229,64.985 J534.2@202.245,65
  BOT w0.127: J535.1@200.495,68.5 201.431,67.564 201.431,66.097 202.214,65.315 v1(202.214,64.027)
PFORCE_P3: J534.6 J539.1 | length 6.9
  TOP w0.127: J539.1@200.495,68.5 200.495,66.361 200.595,66.261 203.733,66.261 204.245,65.749 J534.6@204.245,65
PFORCE_P4: J543.2 J544.1 | length 6.2
  TOP w0.127: v1(215.635,64.097) 215.69,64.152 215.69,64.945 J543.2@215.745,65
  BOT w0.127: J544.1@213.495,68.5 213.495,66.237 v1(215.635,64.097)
PFORCE_P5: J543.6 J548.1 | length 7.2
  TOP w0.127: J548.1@213.495,68.5 213.495,66.4 213.635,66.26 216.96,66.26 217.658,65.562 217.658,65.087 J543.6@217.745,65
PFORCE_P6: J552.2 J553.1 | length 6.1
  TOP w0.127: v1(229.174,64.152) 229.209,64.188 229.209,64.965 J552.2@229.245,65
  BOT w0.127: J553.1@226.995,68.5 226.995,67.75 228.174,66.571 228.174,65.152 v1(229.174,64.152)
PFORCE_P7: J552.6 J557.1 | length 7.4
  TOP w0.127: J557.1@226.995,68.5 226.995,66.559 226.897,66.462 226.897,66.335 226.972,66.261 230.403,66.261 231.158,65.505 231.158,65.087 J552.6@231.245,65
PFORCE_P8: J562.2 J563.1
PFORCE_P9: J562.6 J567.1
PFORCE_P10: J571.2 J572.1
PFORCE_P11: J571.6 J576.1
PFORCE_P12: J580.2 J581.1
PFORCE_P13: J580.6 J585.1
PFORCE_P14: J589.2 J590.1
PFORCE_P15: J589.6 J594.1
PGOOD: IC?.7
PHY_NRST: IC9.129 IC11.15 R125.2 | length 39.7
  TOP w0.127: 141.364,96.631 v1(141.364,97.192)
  TOP w0.254: IC11.15@105.37,95.7 105.37,96.426 106.336,97.392 140.084,97.392 140.845,96.631 141.364,96.631 R125.2@143.059,96.631
PHY_RD_N: D4.1 IC11.22 R18.2 R137.1 | length 8.8
  TOP w0.152: R137.1@96.869,91.285 97.67,91.285 98.794,92.409 99.392,92.409 R18.2@99.606,92.195 99.66,92.249 99.66,93.705 99.906,93.952 99.906,93.989 100.025,94.108 101.244,94.108 101.573,93.779 102.4,93.779 102.629,93.55 IC11.22@103.22,93.55
PHY_RD_P: D4.3 IC11.23 R19.2 R136.1 | length 9
  TOP w0.152: R136.1@96.899,92.3 96.899,92.32 97.113,92.534 97.186,92.534 97.202,92.55 v1@97.649,92.55 ; 100.96,92.926 D4.3@100.96,93.43 ; R19.2@101.09,92.195 100.96,92.325 100.96,92.848 101.006,92.895 101.006,92.926 101.097,93.017 101.171,93.091 101.762,93.091 101.803,93.05 101.837,93.05 102.066,93.279 102.193,93.279 102.421,93.05 IC11.23@103.22,93.05
  L2 w0.152: v1(97.69,92.55) 99.476,92.55 100.017,93.091 v1(101.803,93.091)
PHY_TD_N: D4.4 IC11.20 R15.1 R134.1 | length 11.9
  TOP w0.152: R134.1@96.973,94.569 R134.1@96.839,94.435 96.839,94.415 97.053,94.201 97.073,94.201 97.138,94.136 97.365,94.136 v1(97.431,94.069) ; v1(101.543,96.345) 101.543,96.869 101.543,96.889 R15.1@101.606,96.952 101.606,96.889 101.606,96.345 101.476,96.215 101.476,96.146 101.299,95.969 101.083,95.969 100.96,95.846 100.96,95.355 100.72,95.116 100.72,94.952 100.81,94.863 101.498,94.863 101.826,94.536 102.525,94.536 102.621,94.44 102.904,94.44 103.015,94.55 IC11.20@103.22,94.55
  L2 w0.152: v1(97.431,94.069) 99.706,96.345 v1(101.543,96.345)
PHY_TD_P: D4.6 IC11.21 R12.1 R133.1 | length 9.3
  TOP w0.152: R133.1@96.869,95.335 96.889,95.355 D4.6@99.66,95.355 ; R12.1@98.521,96.96 98.734,96.747 98.734,96.409 99.174,95.969 99.536,95.969 99.66,95.846 D4.6@99.66,95.355 ; IC11.21@103.22,94.05 103.015,94.05 102.904,94.16 102.624,94.16 102.525,94.061 101.687,94.061 101.359,94.388 100.59,94.388 99.906,95.071 99.906,95.108 D4.6@99.66,95.355
POE_IN1: D7.2 D23.1 J10.5 | length 11.1
  BOT w0.508: 12.537,24.982 11.585,24.031 11.585,19.406 13.316,17.675 J10.5@13.539,17.675 ; D23.1@21.4,13.5 D7.2@21.4,16
POE_IN2: D6.1 D10.2 J10.8 | length 15.4
  TOP w0.508: J10.8@16.079,21.485 16.237,21.485 16.823,20.899 16.889,20.899 18.033,19.754 18.85,18.938 18.85,13.55 21.114,11.286 21.194,11.286 21.4,11.08 D10.2@21.4,11 ; D6.1@21.4,8.5 21.4,10.9 D10.2@21.5,11
POE_IN3: D8.1 D11.2 J10.10 | length 2.5
  TOP w0.508: D8.1@21.4,13.5 D11.2@21.4,16
POE_IN4: D9.1 D22.2 J10.9 | length 25.5
  BOT w0.508: J10.9@13.539,22.755 13.539,24.408 14.402,25.271 18.329,25.271 19.141,24.459 19.141,12.178 20.319,11 D22.2@21.4,11 D9.1@21.4,8.5
POE_PWR_SRC: IC9.13 R30.1 R31.2 | length 4.3
  TOP w0.127: R31.2@128.234,47.256 128.141,47.349 R30.1@128.141,48.693 v1(128.919,48.693) ; IC9.13@130.328,88.444 130.339,88.432 130.339,86.436 v1(130.35,86.425)
  other v1: 141.302,49.02
POE_VC+: D7.1 D10.1 D11.1 D22.1 L1.1 R14.2 | length 129
  TOP w0.762: v2(23.5,11) D10.1@24.5,11 ; v2(23.7,15) 24.521,15.821 D11.1@24.521,15.841 ; L1.1@129.747,5.283 130.331,4.699 131.362,4.699 v2(131.525,4.699) 132.304,4.699 132.75,5.145 R14.2@132.75,6.222
  L2 w0.762: v2(23.7,15) 23.5,14.8 23.5,7 26.569,3.931 26.593,3.931 27.431,3.093 29.455,1.069 127.895,1.069 v2(131.525,4.699)
  BOT w0.762: v2(23.5,11) D22.1@24.6,11 ; v2(23.7,15) 24.521,15.821 D7.1@24.521,15.841
POE_VC-: D6.2 D8.2 D9.2 D23.2 R35.1 R64.1 R66.1 T4.2 | length 21.2
  TOP w0.254: R64.1@130.763,10.652 130.988,10.652 131.336,10.304 131.336,10.247 131.803,9.78 R35.1@132.5,9.78
  TOP w0.762: D6.2@24.6,8.5 25.5,8.5 v2(26,9) ; D8.2@24.6,13.5 25.45,13.5 v2(25.5,13.55) ; v2(125.466,12.377) 125.752,12.663 126.517,12.663 126.583,12.597 126.415,12.43 T4.2@126.415,10.9 ; T4.2@126.5,10.5 127.246,9.754 128.96,9.754 129.764,10.558 130.444,10.558 130.538,10.652 R64.1@130.763,10.652
  BOT w0.762: D9.2@24.5,8.5 25.5,8.5 v2(26,9) 26.5,9.5 26.5,13.55 v2(25.5,13.55) 24.888,13.55 24.679,13.341 24.6,13.42 D23.2@24.6,13.5
PRTDIN_N0: J525.4 J528.1 | length 6.2
  TOP w0.127: J525.4@189.745,65 189.749,64.996 v1(189.749,64.027)
  BOT w0.127: v1(189.749,64.027) 189.754,64.022 191.495,65.763 J528.1@191.495,68.5
PRTDIN_N1: J525.8 J532.1 | length 3.6
  TOP w0.127: J532.1@191.495,68.5 191.745,68.25 J525.8@191.745,65
PRTDIN_N2: J534.4 J537.1 | length 6.3
  TOP w0.127: J534.4@203.245,65 203.294,64.951 v1(203.294,64.092)
  BOT w0.127: v1(203.294,64.092) 203.344,64.042 203.344,65.599 205.495,67.75 J537.1@205.495,68.5
PRTDIN_N3: J534.8 J541.1 | length 3.6
  TOP w0.127: J534.8@205.245,65 205.245,68.25 J541.1@205.495,68.5
PRTDIN_N4: J543.4 J546.1 | length 6.1
  TOP w0.127: v1(216.69,64.097) 216.69,64.945 J543.4@216.745,65
  BOT w0.127: v1(216.69,64.097) 218.495,65.902 J546.1@218.495,68.5
PRTDIN_N5: J543.8 J550.1 | length 3.6
  TOP w0.127: J550.1@218.495,68.5 218.745,68.25 J543.8@218.745,65
PRTDIN_N6: J552.4 J555.1 | length 7.3
  TOP w0.127: v1(230.209,63.536) 230.209,64.965 J552.4@230.245,65
  BOT w0.127: v1(230.209,63.536) 230.174,63.5 230.174,64.79 231.995,66.611 J555.1@231.995,68.5
PRTDIN_N7: J552.8 J559.1 | length 3.6
  TOP w0.127: J559.1@231.995,68.5 232.245,68.25 J552.8@232.245,65
PRTDIN_N8: J562.4 J565.1
PRTDIN_N9: J562.8 J569.1
PRTDIN_N10: J571.4 J574.1
PRTDIN_N11: J571.8 J578.1
PRTDIN_N12: J580.4 J583.1
PRTDIN_N13: J580.8 J587.1
PRTDIN_N14: J589.4 J592.1
PRTDIN_N15: J589.8 J596.1
PRTDIN_P0: J525.3 J527.1 | length 3.6
  TOP w0.127: J525.3@189.245,65 189.249,65.004 v1@189.249,65.79
  BOT w0.127: J527.1@188.995,68.5 189.254,68.241 v1(189.254,65.795) v1@189.249,65.79
PRTDIN_P1: J525.7 J531.1 | length 4.5
  TOP w0.127: J531.1@188.995,68.5 188.995,67.75 189.931,66.814 190.022,66.814 191.245,65.591 J525.7@191.245,65
PRTDIN_P2: J534.3 J536.1 | length 3.6
  TOP w0.127: J534.3@202.745,65 202.745,65.555 202.879,65.689 v1(202.878,65.795)
  BOT w0.127: v1(202.878,65.795) 202.878,68.383 J536.1@202.995,68.5
PRTDIN_P3: J534.7 J540.1 | length 4.2
  TOP w0.127: J540.1@202.995,68.5 202.995,67.75 204.745,66 J534.7@204.745,65
PRTDIN_P4: J543.3 J545.1 | length 3.6
  TOP w0.127: J543.3@216.245,65 v1(216.245,65.599)
  BOT w0.127: J545.1@215.995,68.5 215.995,65.95 216.245,65.7 v1(216.245,65.599)
PRTDIN_P5: J543.7 J549.1 | length 4.4
  TOP w0.127: J549.1@215.995,68.5 215.995,67.75 217.255,66.49 217.255,66.361 218.158,65.457 218.158,65.087 J543.7@218.245,65
PRTDIN_P6: J552.3 J554.1 | length 3.6
  TOP w0.127: v1(229.643,65.795) 229.694,65.744 229.694,65.051 J552.3@229.745,65
  BOT w0.127: J554.1@229.495,68.5 229.495,66.044 229.643,65.896 v1(229.643,65.795)
PRTDIN_P7: J552.7 J558.1 | length 4.5
  TOP w0.127: J558.1@229.495,68.5 229.495,67.75 230.431,66.814 230.522,66.814 231.745,65.591 J552.7@231.745,65
PRTDIN_P8: J562.3 J564.1
PRTDIN_P9: J562.7 J568.1
PRTDIN_P10: J571.3 J573.1
PRTDIN_P11: J571.7 J577.1
PRTDIN_P12: J580.3 J582.1
PRTDIN_P13: J580.7 J586.1
PRTDIN_P14: J589.3 J591.1
PRTDIN_P15: J589.7 J595.1
RCC_MCO_1: IC9.100 | length 3.5
  TOP w0.127: IC9.100@132.328,67.194 v1(132.328,70.68)
RD_N: J10.6 R137.2 | length 189.8
  TOP w0.152: v1(94.933,91.524) 95.011,91.524 95.196,91.71 95.412,91.71 95.414,91.708 95.577,91.708 95.715,91.57 95.715,91.499 R137.2@95.929,91.285
  L2 w0.127: J10.6@16.079,18.945 16.079,17.721 15.159,16.801 15.159,16.396 15.189,16.367 15.189,14.658 14.116,13.586 12.395,13.586 11.522,14.459 11.44,14.541 11.44,23.814 14.567,26.942 14.567,36.632 13.755,37.445 12.868,38.332 7.922,38.332 6.051,40.202 4.76,41.493 4.76,62.365 4.425,62.7 4.146,62.979 4.146,86.266 11.709,93.829 13.948,96.068 53.024,96.068 90.308,96.068 91.562,94.814 91.661,94.715 93.271,93.105 95.586,93.105 95.791,92.9 95.791,91.992 95.52,91.72 95.194,91.72 94.998,91.524 v1(94.933,91.524)
RD_P: J10.3 R136.2 | length 186.2
  TOP w0.152: v1@94.865,92.309 94.921,92.309 95.241,91.989 95.528,91.989 95.53,91.987 95.666,91.987 95.959,92.28 R136.2@95.959,92.3
  L2 w0.127: J10.3@13.539,15.135 14.73,16.326 14.835,16.326 14.909,16.251 14.909,14.774 14,13.865 12.511,13.865 11.719,14.656 11.719,23.698 14.847,26.826 14.847,36.747 12.983,38.611 8.037,38.611 5.04,41.609 5.04,62.48 4.425,63.095 4.425,86.15 11.825,93.55 14.063,95.788 53.14,95.788 90.192,95.788 93.155,92.825 95.353,92.825 95.512,92.666 95.512,92.107 95.404,92 95.239,92 95.042,92.196 v1(94.978,92.196)
RMII_CRS_DV: IC9.43 R27.1 | length 18.3
  TOP w0.127: R27.1@109.91,95.522 110.429,95.522 111.315,94.636 111.315,89.864 v1(111.303,89.852) ; v1(111.391,84.43) 112.252,83.569 113.293,83.569 113.717,83.569 IC9.43@116.953,83.569
  BOT w0.127: v1@111.379,89.776 111.227,89.776 110.986,89.534 110.986,85.895 111.404,85.477 111.404,84.443 v1(111.391,84.43)
RMII_MDC: B16.1 IC9.27 IC11.13 | length 29
  TOP w0.127: IC11.13@106.37,95.7 106.382,95.687 v1(106.856,95.687) ; v1(112.073,95.499) 112.125,95.552 v1(114.022,95.552) 114.022,95.944 113.989,95.977 B16.1@113.989,96.413 ; v1(123.328,86.465) IC9.27@123.328,88.444
  L2 w0.127: v1(106.856,95.687) 107.637,95.687 107.92,95.97 111.602,95.97 v1(112.073,95.499) ; v1(113.975,86.95) 122.843,86.95 v1(123.328,86.465)
  BOT w0.127: v1@112.062,95.511 v1(112.073,95.499) ; v1(113.975,86.95) 113.995,86.97 113.995,87.997 113.995,95.525 v1(114.022,95.552)
RMII_MDIO: B17.1 IC9.36 IC11.12 R98.2 | length 20.6
  TOP w0.127: IC11.12@107.02,95.05 107.225,95.05 107.637,95.462 107.637,95.687 107.973,96.023 110.372,96.023 111.924,94.471 112.079,94.471 v1(112.151,94.4) ; v1@112.141,94.386 112.184,94.344 112.184,93.429 B17.1@112.217,93.396 ; R98.2@118.117,90.037 v1@118.56,90.037 ; v1(118.694,90.031) 118.694,89.903 118.828,89.769 IC9.36@118.828,88.444
  L2 w0.127: v1(111.845,90.41) 111.913,90.477 118.247,90.477 v1(118.694,90.031)
  BOT w0.127: v1(111.845,90.41) 111.845,94.083 112.151,94.388 v1(112.151,94.4)
RMII_REF_CLK: IC9.35 R29.1 | length 18.4
  TOP w0.127: R29.1@108.718,96.695 108.846,96.822 109.124,96.822 109.262,96.96 111.898,96.96 v1(112.674,96.184) ; v1(119.304,89.5) 119.316,89.488 119.316,88.455 IC9.35@119.328,88.444
  L2 w0.127: v1(113.346,89.463) 113.365,89.481 119.286,89.481 v1(119.304,89.5)
  BOT w0.127: v1(112.674,96.184) 113.346,95.512 v1(113.346,89.463)
RMII_RXD0: IC9.44 R23.1 | length 17
  TOP w0.127: R23.1@109.446,92.53 R23.1@109.446,92.55 110.656,92.55 v1(110.676,92.53) ; v1(110.676,83.101) 116.92,83.101 IC9.44@116.953,83.069
  BOT w0.127: v1(110.676,83.101) 110.694,83.119 110.694,92.513 v1(110.676,92.53)
RMII_RXD1: IC9.45 R24.1 | length 17.9
  TOP w0.127: R24.1@109.44,91.6 v1(110.096,91.6) ; v1(110.038,81.832) 110.774,82.569 115.703,82.569 IC9.45@116.953,82.569
  BOT w0.127: v1(110.038,81.832) 110.038,86.534 110.35,86.846 110.35,90.864 110.096,91.118 v1(110.096,91.6)
RMII_TX_EN: IC9.126 IC11.16 | length 52.6
  TOP w0.127: v1(104.847,96.358) 104.858,96.347 104.858,95.711 IC11.16@104.87,95.7 ; v1(136.812,77.569) IC9.126@138.203,77.569
  L2 w0.127: v1(104.847,96.358) 106.066,96.358 106.239,96.185 107.776,96.185 107.848,96.257 109.663,96.257 109.755,96.35 v1(111.845,96.35) ; v1(112.103,79.184) 117.956,79.184 118.372,79.6 133.48,79.6 135.511,77.569 v1(136.812,77.569)
  BOT w0.127: v1(111.845,96.35) 112.591,95.604 112.591,91.565 112.285,91.26 112.285,85.364 112.103,85.181 v1(112.103,79.184)
RMII_TXD0: IC9.128 IC11.17 | length 57.3
  TOP w0.127: v1(104.22,96.358) 104.22,96.257 104.293,96.184 104.293,95.776 IC11.17@104.37,95.7 ; v1(136.951,78.6) 136.967,78.584 138.187,78.584 IC9.128@138.203,78.569
  L2 w0.127: v1(104.22,96.358) 104.66,96.799 106.513,96.799 106.873,96.439 107.671,96.439 108.022,96.791 112.69,96.791 113.033,96.448 115.776,96.448 116.902,97.573 138.672,97.573 138.811,97.434 v1(138.811,96.888)
  BOT w0.127: v1(136.951,78.6) 138.151,79.8 138.151,92.672 138.811,93.333 v1(138.811,96.888)
RMII_TXD1: IC9.74 IC11.18 | length 16.4
  TOP w0.127: v1(103.454,97.069) 103.454,96.321 103.87,95.905 IC11.18@103.87,95.7 ; v1(118.044,68.327) 119.06,68.327 119.328,68.059 IC9.74@119.328,67.194
  L2 w0.127: v1(103.454,97.069) 103.777,97.392 115.234,97.392 115.393,97.233 115.393,97.177 115.581,96.989 v1(115.581,96.888)
RSTn: D5.2 IC9.25 J21.10 R62.2 | length 53.5
  TOP w0.127: v1(124.328,87.106) IC9.25@124.328,88.444 ; R62.2@150.626,69.121 151.78,69.121 152.32,69.661 J21.10@152.32,73.6
  L2 w0.127: v1(124.328,87.106) 124.88,86.554 127.688,86.554 128.258,87.124 140.389,87.124 v1(142.05,87.124)
  BOT w0.127: v1(142.05,87.124) 143.101,87.124 144.75,85.475 151.701,85.475 153.695,83.481 153.695,82.397 156.007,80.085 156.007,73.959 154.985,72.937 153.365,72.937 v1(152.343,71.916)
RTDIN_N00: C156_1.2 IC84_1.8 J1.4
RTDIN_N01: C156_2.2 IC84_2.8 J1.8
RTDIN_N02: C156_3.2 IC84_3.8 J1.12
RTDIN_N03: C156_4.2 IC84_4.8 J1.16
RTDIN_N04: C156_5.2 IC84_5.8 J1.20
RTDIN_N05: C156_6.2 IC84_6.8 J1.24
RTDIN_N06: C156_7.2 IC84_7.8 J1.28
RTDIN_N07: C156_8.2 IC84_8.8 J1.32
RTDIN_N08: C156_9.2 IC84_9.8 J1.38 | length 21
  TOP w0.152: 57.484,7.687 72.893,7.687 75.268,7.687 75.572,7.991 76.085,7.991 76.219,8.125 76.219,8.169 C156_9.2@76.58,8.53 76.346,8.764 76.346,8.807 76,9.153 IC84_9.8@76,9.85
RTDIN_N09: C156_10.2 IC84_10.8 J1.42
RTDIN_N10: C156_11.2 IC84_11.8 J1.46
RTDIN_N11: C156_12.2 IC84_12.8 J1.50
RTDIN_N12: C156_13.2 IC84_13.8 J1.54
RTDIN_N13: C156_14.2 IC84_14.8 J1.58
RTDIN_N14: C156_15.2 IC84_15.8 J1.62
RTDIN_N15: C156_16.2 IC84_16.8 J1.66
RTDIN_P00: C156_1.1 IC84_1.7 J1.3 R351_1.2
RTDIN_P01: C156_2.1 IC84_2.7 J1.7 R351_2.2
RTDIN_P02: C156_3.1 IC84_3.7 J1.11 R351_3.2
RTDIN_P03: C156_4.1 IC84_4.7 J1.15 R351_4.2
RTDIN_P04: C156_5.1 IC84_5.7 J1.19 R351_5.2
RTDIN_P05: C156_6.1 IC84_6.7 J1.23 R351_6.2
RTDIN_P06: C156_7.1 IC84_7.7 J1.27 R351_7.2
RTDIN_P07: C156_8.1 IC84_8.7 J1.31 R351_8.2
RTDIN_P08: C156_9.1 IC84_9.7 J1.37 R351_9.2 | length 19.4
  TOP w0.152: 70.25,8.7 71.353,8.7 v1(71.75,9.097) ; v1(72.869,8.404) 72.869,8.164 72.892,8.142 73.225,8.142 73.375,7.991 75.141,7.991 C156_9.1@75.68,8.53 75.35,8.86 IC84_9.7@75.35,9.85
  TOP w0.2: 59.285,8.404 69.953,8.404 70.25,8.7 R351_9.2@70.25,10.547
RTDIN_P09: C156_10.1 IC84_10.7 J1.41 R351_10.2
RTDIN_P10: C156_11.1 IC84_11.7 J1.45 R351_11.2
RTDIN_P11: C156_12.1 IC84_12.7 J1.49 R351_12.2
RTDIN_P12: C156_13.1 IC84_13.7 J1.53 R351_13.2
RTDIN_P13: C156_14.1 IC84_14.7 J1.57 R351_14.2
RTDIN_P14: C156_15.1 IC84_15.7 J1.61 R351_15.2
RTDIN_P15: C156_16.1 IC84_16.7 J1.65 R351_16.2
RXD: IC9.137 W1.2 | length 5.4
  TOP w0.127: IC9.137@138.203,83.069 143.529,83.069 v1(143.566,83.105)
SCKI: R41.2
SD_CK: IC9.113 J6.5 R13.1
SD_CMD: IC9.116 J6.3 R9.1 | length 3
  TOP w0.127: IC9.116@138.203,72.569 138.219,72.584 141.134,72.584 v1(141.15,72.6)
SD_D0: IC9.98 J6.7 R78.1
SD_D1: IC9.99 J6.8 R79.1
SD_D2: IC9.111 J6.1 R76.1
SD_D3: IC9.112 J6.2 R77.1
SD_SW: J6.12 R80.1
SDI: R37.2
SDO: R38.2
SERVMOD_3V3: D12.3 IC5.5 IC5.6 IC5.12 IC5.13 J3.K2 R86.2
SPI1_CS: R40.1
SPI1_MISO: IC9.42 IC84_1.14 IC84_2.14 IC84_3.14 IC84_4.14 IC84_5.14 IC84_6.14 IC84_7.14 IC84_8.14 IC84_9.14 IC84_10.14 IC84_11.14 IC84_12.14 IC84_13.14 IC84_14.14 IC84_15.14 IC84_16.14 R38.1 | length 5.6
  TOP w0.127: v1(112.824,84.069) 113.542,84.069 IC9.42@116.953,84.069
  TOP w0.2: IC84_9.14@78.35,12.85 78.407,12.907 78.534,12.78 v1(79.783,12.78)
SPI1_MOSI: IC9.135 IC84_1.11 IC84_2.11 IC84_3.11 IC84_4.11 IC84_5.11 IC84_6.11 IC84_7.11 IC84_8.11 IC84_9.11 IC84_10.11 IC84_11.11 IC84_12.11 IC84_13.11 IC84_14.11 IC84_15.11 IC84_16.11 R37.1 | length 3.5
  TOP w0.127: IC9.135@138.203,82.069 v1(139.268,82.067)
  TOP w0.2: IC84_9.11@78.35,10.9 78.581,10.9 78.65,10.831 78.65,9.012 v1(78.481,8.843)
SPI1_NSS: IC7.4 IC8.4 IC8.5 IC9.40 | length 3.3
  TOP w0.127: v1(113.837,85.394) 113.837,85.344 114.112,85.069 115.967,85.069 IC9.40@116.953,85.069
SPI1_SCK: IC9.41 IC84_1.12 IC84_2.12 IC84_3.12 IC84_4.12 IC84_5.12 IC84_6.12 IC84_7.12 IC84_8.12 IC84_9.12 IC84_10.12 IC84_11.12 IC84_12.12 IC84_13.12 IC84_14.12 IC84_15.12 IC84_16.12 R41.1 | length 7.1
  TOP w0.127: v1(112.911,85.244) 113.586,84.569 IC9.41@116.953,84.569
  TOP w0.2: IC84_9.12@78.35,11.55 78.7,11.55 79.281,10.969 v1(79.281,9.351)
SWCLK: D26.3 IC9.109 J21.4 | length 23.3
  TOP w0.127: IC9.109@138.203,69.069 139.578,69.069 140.767,67.879 153.619,67.879 155.14,69.401 155.14,71.158 155.346,71.363 D26.3@155.937,71.363 ; J21.4@156.13,73.6 156.13,71.556 D26.3@155.937,71.363 ; D26.3@156.24,71.363 D26.3@155.937,71.363